# Allegro board controller_layout.brd
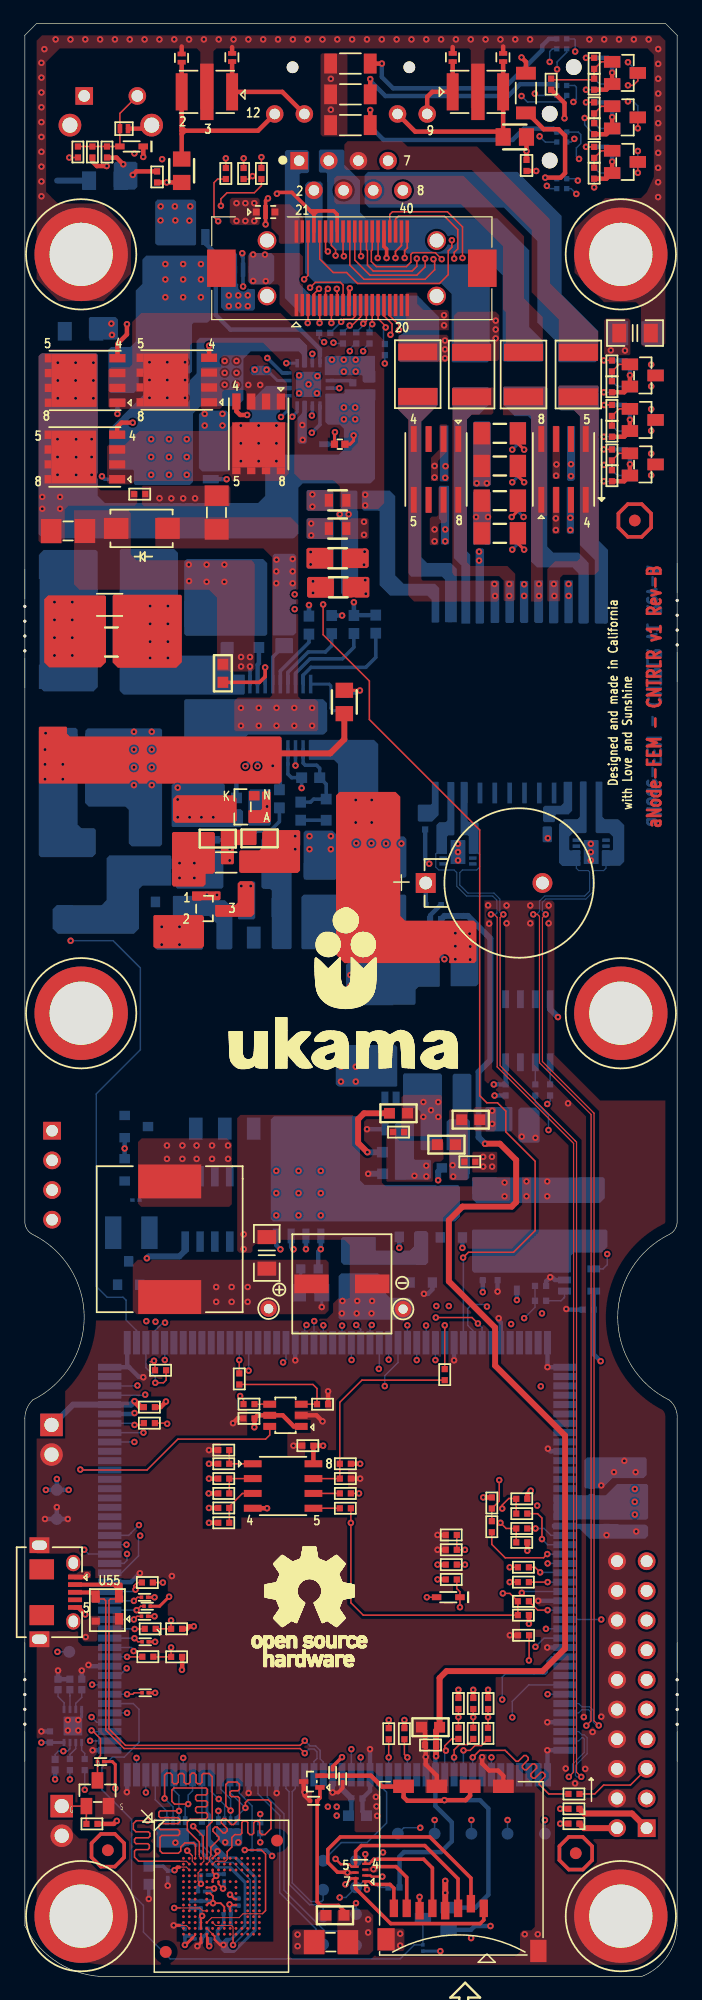
[diagram p0: board, top side]
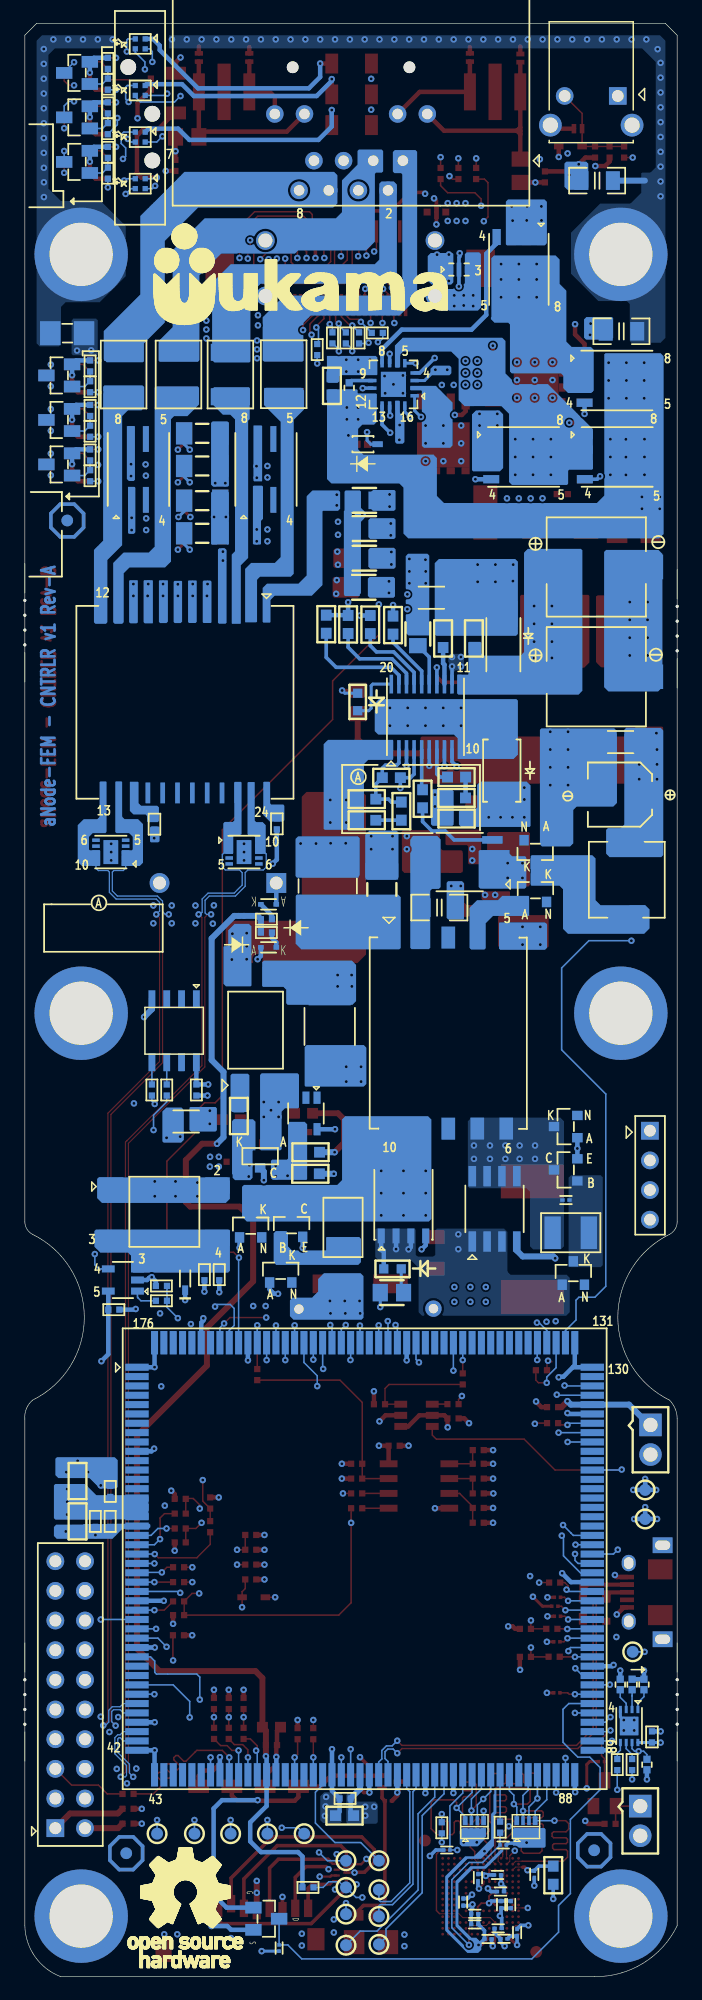
[diagram p1: board, bottom side, seen from below]

Outline 55.88 x 167.26 mm; copper layers: TOP, L2-GND, L3-SIG1, L4-SIG2, L5-PWR, BOTTOM. Coordinates in mm from the lower left corner of the outline.
Outline path: 0,166.24 0,64.62 arc(0.19,64) 0.67,63.56 arc(5.09,56.46) 0.66,49.37 arc(0.17,48.64) 0,47.77 0,4.36 arc(2.9,1.16) 7.06,0 52.81,0 arc(55.01,1.71) 55.88,4.36 55.88,47.75 arc(55.74,48.64) 55.21,49.37 arc(50.79,56.46) 55.21,63.56 arc(55.69,64) 55.88,64.63 55.88,166.24 54.86,167.26 1.02,167.26 0,166.24

## Design rules (mm)
net group DP7: nets SOM_USBA_DM SOM_USBA_DP
net group EMMC_CLK: nets EMMC_CLK N167577870
net group PA_DISABLE: nets N16782840 PA_DISABLE
net group SDHI_CLK: nets N16784147 SDHI_CLK
net group SOM_TCK: nets N16785016 SOM_TCK
net group SOM_TDI: nets N16785078 SOM_TDI
net group SOM_TDO: nets N16785081 SOM_TDO
net group SOM_TMS: nets N16785084 SOM_TMS
net group SOM_USBB: nets SOM_USBB_DM SOM_USBB_DP
net group 50 OHMS: nets BG12 BG36 BG45 BG78 DBGU_RXD DBGU_TXD DISABLE_BOOT EEPROM_WP ETH_LED0 N00298 N00544 N00600 N00977 N01029 N01180 N01231 N01732 N02001 N03119 N03568 N03818 N04656 N06278 N14160 N35231 N395210 N395506 N397188 N397192 N399906 N400318 N16782839 N16783926 N16783927 N16821996 N16821997 N16828605 N16828699 N16828700 N16835633 N16836459 N16836513 N16836517 N16838162 N16880995 N16881912 N16881928 N16881935 N16881937 N16881941 N16895022 N16900299 N16900301 N16900303 N16900344 N16900372 N16928136 N19998964 N20071633 N20071656 N20073323 N20073327 N20073333 N20073375 N20073427 N20073459 N20187115 N20187119 N42831088 N42831090 N43233287 PG_LDO_3P3 PG_LDO_5V PG_REG_5P7V PGA_PWR_DISABLE PPD RF_PWR_DETECT_F RF_PWR_DETECT_R RF_PWR_DISABLE RF_THERMTRIP RX_ATTN_1DB RX_ATTN_2DB RX_ATTN_4DB RX_ATTN_8DB RX_ATTN_ENB RX_ATTN_P5DB RX_ATTN_P16DB SHDN SOM_ETH_LED SOM_HSIC_DAT SOM_HSIC_STROBE SOM_NRST SOM_USB_OCR SOM_WDI_IN T2P TG12 TG36 TG45 TG78 THERM_ALERT TWI0_CLK TWI0_DATA TWI1_CLK TWI1_DATA TWI2_CLK TWI2_DATA TX_ATTN_8DB TX_ATTN_P16DB
net group EMMC  INTERFACE: nets EMMC_D1 EMMC_D2 EMMC_D3 EMMC_D4 EMMC_D5 EMMC_D6 EMMC_D7
net group POWER: nets B2B_3V3 B2B_12V N12332 VDD_BU
net group SDCARD INTERFACE: nets SDHI_CMD SDHI_DAT1 SDHI_DAT2 SDHI_DAT3
net group SDCARD_INTERFACE: nets SDHI_CD

## Placement (name value [footprint] x y rotation side)
BT1  CR1220  [BAT_CR-1220HFN]  34.34 93.65 180 top
C1  0.47UF  [EMIFIL_101X43W474MV4E]  15.6 161.39 180 top
C2  0.47UF  [EMIFIL_101X43W474MV4E]  38.81 161.39 0 top
C3  0.1uF  [C0402]  7.04 156.24 90 top
C4  0.1uF  [CC0402]  42.98 155.09 270 top
C5  0.1uF  [CC0402]  11.33 154.11 90 top
C6  NFM18PC225B1A3D  [EMIFIL_NFM18PC225B1A3B]  20.62 151.1 0 top
C7  1000PF  [C1206]  52.27 140.74 180 top
C8  1nF 100V  [C0402]  9.84 126.95 0 top
C9  0.1uF  [C0805]  7.27 117.47 180 top
C10  1uF  [CC1210]  7.42 114.28 180 top
C11  47pF  [CC0603]  20.11 97.47 0 top
C12  10pF  [C0402]  32.01 72.32 180 top
C13  22uF  [C1206]  20.73 61.98 90 top
C14  100uF  [CAP_2P_8_50X8_50_5_50MM]  27.16 59.32 0 top
C15  0.1uF  [C0402]  19.2 47.8 0 top
C16  0.1uF  [C0402]  24.25 45.47 180 top
C17  0.1uF  [C0402]  36.53 37.82 180 top
C18  2.2uF  [C0603]  34.75 21.36 180 top
C19  100nF  [C0402]  34.75 19.83 180 top
C20  0.1UFX  [C0201]  24.74 15.06 180 top
C21  1UFX_16V  [C0603]  26.57 5.25 180 top
C22  1000PF  [C1206]  6.85 153.79 0 bottom
C23  NFM18PC225B1A3D  [EMIFIL_NFM18PC225B1A3B]  18.69 146.17 180 bottom
C24  1000PF  [C1206]  4.77 140.89 180 bottom
C25  0.047uF  [CC0603]  29.58 136.22 90 bottom
C26  0.01uF  [CC0805]  26.79 126.41 0 bottom
C27  0.01uF  [CC0805]  26.79 124 0 bottom
C28  0.01uF  [CC0805]  26.79 121.46 0 bottom
C29  22uF  [CAP_2P_8_50X8_50_10_50MM]  6.93 120.71 180 bottom
C30  0.01uF  [CC0805]  26.84 118.97 0 bottom
C31  0.1uF 100V  [C0805]  21.05 118.07 0 bottom
C32  10nF  [C0603]  17.41 114.59 270 bottom
C33  22uF  [CAP_2P_8_50X8_50_10_50MM]  6.93 111.31 180 bottom
C34  1uF  [C0805]  4.85 105.72 0 bottom
C35  1uF  [C0603]  24.49 102.67 180 bottom
C36  22uF  [CAP_2P_5_30X5_30_6_10MM]  4.9 101.22 0 bottom
C37  1uF  [C0603]  18.91 100.93 180 bottom
C38  22nF  [CC0603]  26.59 99.03 0 bottom
C39  0.1uF  [CC0402]  34.29 98.71 90 bottom
C40  0.1uF  [CC0402]  44.77 98.68 90 bottom
C41  1uF  [CC1210]  25.3 93.1 90 bottom
C42  0.047uF 250V  [C1206]  20.37 91.54 0 bottom
C43  2200pF 2kV  [CAP_2P_4_90X3_60_1_50MM]  29.77 81.3 270 bottom
C44  100nF  [C0402]  41.19 75.92 270 bottom
C45  1uF  [C0805]  42.06 73.22 0 bottom
C46  15nF  [CC0603]  31.41 70.6 0 bottom
C47  100pF  [C0201]  9.53 66.5 180 bottom
C48  0.1uF  [C0402]  40.5 60.11 90 bottom
C49  0.1uF  [C0402]  48.26 57.11 0 bottom
C50  2.2uF  [C0603]  51.36 42.44 90 bottom
C51  100nF  [C0402]  48.56 41.55 90 bottom
C52  2.2uF  [C0603]  51.36 38.98 270 bottom
C53  100nF  [C0402]  49.84 38.98 270 bottom
C54  100nF  [C0402]  48.57 38.98 270 bottom
C55  0.1uF  [CC0402]  2.16 20.53 90 bottom
C56  100nF  [C0402]  28.45 15.26 0 bottom
C57  2.2uF  [C0603]  28.5 13.79 0 bottom
C58  0.1UFX  [C0201]  12.24 8.76 270 bottom
C59  0.1UFX  [C0201]  15.39 8.71 180 bottom
C60  1UFX_16V  [C0603]  10.62 8.69 270 bottom
C61  0.1UFX  [C0201]  17.07 8.48 270 bottom
C62  0.1UFX  [C0201]  15.14 7.29 180 bottom
C63  0.1UFX  [C0201]  18.34 6.38 90 bottom
C64  0.1UFX  [C0201]  15.08 6.17 90 bottom
C65  0.1UFX  [C0201]  14.22 6.17 90 bottom
C66  0.1UFX  [C0201]  17.34 5.38 180 bottom
C67  0.1UFX  [C0201]  17.34 4.47 180 bottom
C68  0.1UFX  [C0201]  15.34 4.14 0 bottom
C69  0.1UFX  [C0201]  13.71 3.78 90 bottom
C70  0.1UFX  [C0201]  14.84 3.24 0 bottom
C71  0.1UFX  [C0201]  16.2 3.22 0 bottom
CN1  112A-TAAR-R03_ATTEND  [MICROSD_ATTEND_NEW]  30.39 4.7 0 top
D1  PESD3V3X1BL,315  [DFN98X58X50-2N_NXP]  17.76 164.34 90 top
D2  PESD3V3X1BL,315  [DFN98X58X50-2N_NXP]  36.65 164.34 90 top
D3  PESD3V3X1BL,315  [DFN98X58X50-2N_NXP]  40.97 164.34 90 top
D4  PESD3V3X1BL,315  [DFN98X58X50-2N_NXP]  13.44 164.29 90 top
D5  PESD3V3X1BL,315  [SOD882_2P_0_62X1_02_0_50MM]  8.49 158.24 0 top
D6  RB751S40T5G  [SOD523F_2P_1_30X0_90_0_70MM]  9.14 156.72 180 top
D7  SMAJ58A  [DO214AC_2P_2_290MM]  10.02 124.01 180 top
D8  BAS16  [SOT23_3P_3_04X1_40_1_11MM_ANC]  18.65 100.17 180 top
D9  RB751S40T5G  [SOD523F_2P_1_30X0_90_0_70MM]  36.27 32.49 180 top
D10  D5V0L2B3T  [SOT50P160X90-3N]  24.58 16.71 90 top
D11  MMSZ5252BS-7-F  [SOD2513X120N_A]  26.91 131.22 180 bottom
D12  DIODE  [SMA_2P_4_57X2_92_2_62MM]  14.89 114.06 90 bottom
D13  SMAJ58A  [DO214AC_2P_2_290MM]  15.02 103.3 270 bottom
D14  BAS16  [SOT23_3P_3_04X1_40_1_11MM_ANC]  12.16 96.31 270 bottom
D15  BAS16  [SOT23_3P_3_04X1_40_1_11MM_ANC]  12.14 93.03 90 bottom
D17  TL431ACDBVR  [SOT23_5P_3_05X1_75_1_45MM]  31.8 73.91 270 bottom
D18  BAS16  [SOT23_3P_3_04X1_40_1_11MM_ANC]  9.55 72.79 0 bottom
D19  BAV99/SOT  [SOT23_3P_3_04X1_40_1_11MM_ACC]  35.72 70.26 0 bottom
D20  BAS16  [SOT23_3P_3_04X1_40_1_11MM_ANC]  36.53 64.3 90 bottom
D21  12V  [SOT23_3P_3_04X1_40_1_11MM_ANC]  33.96 60.44 90 bottom
D22  12V  [SOT23_3P_3_04X1_40_1_11MM_ANC]  8.9 60.25 90 bottom
D23  RB751S40T5G  [SOD523F_2P_1_30X0_90_0_70MM]  42.15 59.78 90 bottom
D10118  RB751S40  [SODFL1608X70N_B]  35 91.82 0 bottom
D10119  RB751S40  [SODFL1608X70N_B]  35 88.14 180 bottom
F1  1812L050/60MR  [FUSE_1812L05060]  33.66 137.21 270 top
F2  1812L050/60MR  [FUSE_1812L05060]  38.27 137.19 270 top
F3  1812L050/60MR  [FUSE_1812L05060]  42.72 137.19 90 top
F4  1812L050/60MR  [FUSE_1812L05060]  47.42 137.19 270 top
F5  1812L050/60MR  [FUSE_1812L05060]  33.71 137.21 90 bottom
F6  1812L050/60MR  [FUSE_1812L05060]  47.42 137.19 90 bottom
F7  1812L050/60MR  [FUSE_1812L05060]  42.72 137.19 90 bottom
F8  1812L050/60MR  [FUSE_1812L05060]  38.27 137.19 90 bottom
FB1  3A  [FB_1206]  16.43 125.37 90 top
FB2  3A  [FB_1206]  3.7 123.79 180 top
FB3  3A  [FB_1206]  26.23 2.95 0 top
FB4  3A  [FB_1206]  52.25 140.73 180 bottom
J1  FX23L-50-P-0.5SV10  [CON_40P_22_50X7_90_17_10MM_P]  28.01 146.29 90 top
J2  DX4R205JJAR1800  [USB_5P_7_70X5_20_2_65MM]  4.3 32.92 270 top
J3  RJ45_CONN  [AMPHENOL_MRJ-5384-M1]  23.5 155.5 0 bottom
J4  CONN HDR 4 PIN  [BERG-4]  2.33 72.44 270 bottom
J5  eJTAG Header  [BERG_10X2_2_54P]  53.27 12.71 90 bottom
JP1  826926-2  [TH_2_HDR2X1_100_ST_330H]  2.29 47.24 180 bottom
JP2  826926-2  [TH_2_HDR2X1_100_ST_330H]  3.16 14.61 180 bottom
L1  22uH  [IND_2P_12_50X12_50_8_00MM]  12.41 63.15 270 top
L2  1mH  [SM_2P_6_70X6_70_3_30MM]  4.41 93.83 270 bottom
L3  3.3uH  [IND_2P_5_00X5_00_3_00MM]  29.94 93.38 270 bottom
LED1  5977717507F  [LED_5977717507F]  45.99 159.52 90 bottom
LED2  LED  [LED_LTST-C190]  27.37 109.15 270 bottom
LED3  LED  [LED_LTST-C190]  24.38 60.6 0 bottom
M1  SI4848ADY-T1-GE3  [SOIC_8P_5_00X4_00_1_75MM_V1]  18.63 95.44 0 bottom
M2  Si7852DP  [SM_5P_6_25X5_26_1_12MM]  23.45 66.1 90 bottom
M3  Si4850EY  [SOIC_8P_5_00X4_00_1_75MM_V1]  15.65 65.75 90 bottom
MH1  Mounting_Hole  [MTG370X800]  4.83 147.48 0 top
MH2  Mounting_Hole  [MTG370X800]  51.05 147.48 0 top
MH3  Mounting_Hole  [MTG370X800]  4.83 82.5 0 top
MH4  Mounting_Hole  [MTG370X800]  51.05 82.5 0 top
MH5  Mounting_Hole  [MTG370X800]  4.83 5.18 0 top
MH6  Mounting_Hole  [MTG370X800]  51.05 5.18 0 top
NOREF  -  [unnamed]  47.19 10.57 0 top
NOREF#2  -  [unnamed]  7.11 10.82 0 top
NOREF#3  -  [unnamed#2]  0 115.43 270 top
NOREF#4  -  [#3]  0 166.24 0 top
NOREF#5  -  [#3]  52.81 0 90 top
NOREF#6  -  [unnamed#2]  55.88 115.94 90 top
NOREF#7  -  [unnamed]  52.25 124.69 0 top
NOREF#8  -  [unnamed#2]  0 23.52 270 top
NOREF#9  -  [unnamed#2]  55.88 23.52 90 top
NOREF#10  -  [unnamed]  7.11 10.82 180 bottom
NOREF#11  -  [unnamed#4]  44.96 155.52 90 bottom
NOREF#12  -  [unnamed]  52.25 124.69 180 bottom
NOREF#13  -  [unnamed]  47.19 10.57 180 bottom
NR1  100K  [SMR4X0402]  17.37 12.85 180 bottom
NR2  100K  [SMR4X0402]  12.95 12.85 180 bottom
Q1  BSS138  [SOT-23_3P_1_50X3_12_1_20MM_GSD]  51.41 163.02 270 top
Q2  BSS138  [SOT-23_3P_1_50X3_12_1_20MM_GSD]  51.41 159.21 270 top
Q3  BSS138  [SOT-23_3P_1_50X3_12_1_20MM_GSD]  51.41 155.4 270 top
Q4  BSS138  [SOT-23_3P_1_50X3_12_1_20MM_GSD]  52.93 137.11 270 top
Q5  CSD18540Q5BT  [SON127P600X500X105-8N_TI]  13.02 136.72 180 top
Q6  CSD18540Q5BT  [SON127P600X500X105-8N_TI]  5.16 136.68 180 top
Q7  BSS138  [SOT-23_3P_1_50X3_12_1_20MM_GSD]  52.93 133.3 270 top
Q8  CSD18540Q5BT  [SON127P600X500X105-8N_TI]  20.03 132.11 270 top
Q9  CSD18540Q5BT  [SON127P600X500X105-8N_TI]  5.14 130.13 180 top
Q10  BSS138  [SOT-23_3P_1_50X3_12_1_20MM_GSD]  52.93 129.49 270 top
Q11  Si2325DS  [SOT23_3P_3_04X1_40_1_12MM_GSD]  15.71 91.46 270 top
Q12  BSS138  [SOT-23_3P_1_50X3_12_1_20MM_GSD]  51.41 163.02 90 bottom
Q13  BSS138  [SOT-23_3P_1_50X3_12_1_20MM_GSD]  51.41 159.21 90 bottom
Q14  BSS138  [SOT-23_3P_1_50X3_12_1_20MM_GSD]  51.41 155.4 90 bottom
Q15  CSD18540Q5BT  [SON127P600X500X105-8N_TI]  13.56 146.19 270 bottom
Q16  BSS138  [SOT-23_3P_1_50X3_12_1_20MM_GSD]  52.93 137.11 90 bottom
Q17  CSD18540Q5BT  [SON127P600X500X105-8N_TI]  5.16 136.68 180 bottom
Q18  BSS138  [SOT-23_3P_1_50X3_12_1_20MM_GSD]  52.93 133.3 90 bottom
Q19  CSD18540Q5BT  [SON127P600X500X105-8N_TI]  13.16 130.13 180 bottom
Q20  CSD18540Q5BT  [SON127P600X500X105-8N_TI]  5.14 130.13 180 bottom
Q21  BSS138  [SOT-23_3P_1_50X3_12_1_20MM_GSD]  52.93 129.49 90 bottom
Q22  MMBTA06  [SOT23_3P_3_04X1_40_1_11MM_BEC]  9.55 69.08 0 bottom
Q23  MMBTA06  [SOT23_3P_3_04X1_40_1_11MM_BEC]  33.03 64.35 90 bottom
Q54  BSS138  [SOT-23_3P_1_50X3_12_1_20MM_GSD]  35.2 4.96 270 bottom
Q55  BSS138  [SOT-23_3P_1_50X3_12_1_20MM_GSD]  6.22 15.71 0 top
R1  0E  [R0402]  48.77 163.83 90 top
R2  487  [R1206]  27.89 163.82 180 top
R3  10K  [R0402]  48.77 162.05 270 top
R4  487  [R1206]  42.93 161.29 90 top
R5  487  [R1206]  27.89 161.18 180 top
R6  0E  [R0402]  48.77 160.02 270 top
R7  487  [R1206]  27.89 158.54 180 top
R8  10K  [R0402]  48.77 158.24 270 top
R9  120  [RC0805]  41.97 157.53 0 top
R10  0 OHM  [R0402]  4.55 156.24 270 top
R11  10K  [R0402]  5.79 156.24 90 top
R12  0E  [R0402]  48.77 156.21 270 top
R13  120  [RC0805]  13.44 154.64 270 top
R14  10K  [R0402]  48.77 154.43 270 top
R15  0E  [R0402]  17.22 154.4 90 top
R16  0E  [R0402]  18.74 154.4 90 top
R17  0E  [R0402]  20.27 154.4 90 top
R18  0E  [R0402]  50.29 137.92 90 top
R19  10K  [R0402]  50.29 136.14 270 top
R20  0E  [R0402]  50.29 134.11 270 top
R21  10K  [R0402]  50.29 132.33 270 top
R22  1M  [RC1206]  40.69 132.15 0 top
R23  NM  [RC0402]  26.97 131.22 180 top
R24  0E  [R0402]  50.29 130.3 270 top
R25  1M  [RC1206]  40.69 129.36 0 top
R26  10K  [R0402]  50.29 128.52 270 top
R27  75E  [RC0603]  26.79 126.41 180 top
R28  1M  [RC1206]  40.69 126.39 180 top
R29  75E  [RC0603]  26.79 124 180 top
R30  1M  [RC1206]  40.69 123.59 180 top
R31  75E  [RC0603]  26.79 121.46 180 top
R32  75E  [RC0603]  26.84 118.97 180 top
R33  0  [R0603]  16.97 111.61 90 top
R34  6.49k  [R0805]  27.37 109.15 270 top
R35  1k  [R0603]  16.53 97.45 180 top
R36  0.12  [R1206]  17.25 95.41 180 top
R37  10k  [R0603]  32.01 73.93 180 top
R38  10k  [R0603]  38.2 73.38 180 top
R39  41.2k  [R0603]  36.12 71.24 0 top
R40  49.9  [R0402]  38.12 69.78 180 top
R41  0E  [R0402]  35.97 51.55 90 top
R42  0E  [R0402]  11.63 51.93 0 top
R43  0E  [R0402]  18.37 51.18 90 top
R44  0E  [R0402]  19.2 49.02 180 top
R45  10K  [R0402]  25.5 49.02 0 top
R46  10K  [R0402]  10.67 48.77 180 top
R47  0E  [R0402]  10.67 47.4 180 top
R48  10K  [R0402]  17.04 45.09 180 top
R49  100K  [R0402]  17.04 43.92 0 top
R50  10K  [R0402]  27.45 43.92 180 top
R51  100K  [R0402]  17.04 42.65 0 top
R52  100K  [R0402]  27.45 42.65 0 top
R53  10K  [R0402]  17.04 41.38 180 top
R54  0E  [R0402]  27.45 41.38 0 top
R55  10K  [R0402]  42.57 40.92 180 top
R56  10K  [R0402]  40 40.56 270 top
R57  10K  [R0402]  17.04 40.13 180 top
R58  0E  [R0402]  27.45 40.11 0 top
R59  0E  [R0402]  42.57 39.65 0 top
R60  100K  [R0402]  17.04 38.86 0 top
R61  0E  [R0402]  40 38.53 270 top
R62  0E  [R0402]  42.57 38.38 0 top
R63  10K  [R0402]  42.57 37.19 180 top
R64  10K  [R0402]  36.53 36.55 180 top
R65  10K  [R0402]  36.53 35.28 0 top
R66  0E  [R0402]  42.71 35.05 0 top
R67  10K  [R0402]  36.53 34.01 0 top
R68  0E  [R0402]  42.71 33.78 0 top
R69  22E  [R0402]  10.49 33.75 0 top
R70  10K  [R0201]  10.26 32.48 0 top
R71  0E  [R0402]  42.71 32.14 0 top
R72  10K  [R0201]  10.48 31.72 0 top
R73  10K  [R0402]  42.71 30.95 180 top
R74  10K  [R0201]  10.26 30.86 0 top
R75  0E  [R0402]  10.74 29.78 180 top
R76  10K  [R0402]  13 29.78 180 top
R77  10K  [R0402]  42.72 29.23 180 top
R78  10K  [R0201]  10.31 28.67 0 top
R79  0E  [R0402]  10.54 27.4 180 top
R80  10K  [R0402]  13 27.38 180 top
R81  10K  [R0201]  10.31 24.3 0 top
R82  10K  [R0402]  37.14 23.39 270 top
R83  10K  [R0402]  38.41 23.39 90 top
R84  10K  [R0402]  39.68 23.39 270 top
R85  0E  [R0402]  37.14 20.83 270 top
R86  0E  [R0402]  38.41 20.83 270 top
R87  0E  [R0402]  39.67 20.83 270 top
R88  0E  [R0402]  31.17 20.8 90 top
R89  10K  [R0402]  32.52 20.8 270 top
R90  10K  [R0201]  26.36 17.47 90 top
R91  10K  [R0201]  27.23 16.94 90 top
R92  0E  [R0402]  47.04 15.64 180 top
R93  0E  [R0402]  47.04 14.37 180 top
R94  0E  [R0402]  47.04 13.1 180 top
R95  10K  [R0402]  48.77 163.83 90 bottom
R96  0E  [R0402]  48.77 162.05 90 bottom
R97  10K  [R0402]  48.77 160.02 90 bottom
R98  0E  [R0402]  48.77 158.24 270 bottom
R99  10K  [R0402]  48.77 156.21 90 bottom
R100  0E  [R0402]  48.77 154.43 90 bottom
R101  10K  [R0402]  50.29 137.92 90 bottom
R102  0E  [R0402]  50.29 136.14 90 bottom
R103  0  [RC0402]  28.09 136.03 270 bottom
R104  10K  [R0402]  50.29 134.11 90 bottom
R105  0E  [R0402]  50.29 132.33 270 bottom
R106  1M  [RC1206]  40.69 132.15 0 bottom
R107  10K  [R0402]  50.29 130.3 90 bottom
R108  1M  [RC1206]  40.69 129.36 0 bottom
R109  0E  [R0402]  50.29 128.52 90 bottom
R110  1M  [RC1206]  40.69 126.39 180 bottom
R111  1M  [RC1206]  40.69 123.59 180 bottom
R112  69.8k  [R0603]  30.06 115.81 270 bottom
R113  80.6k  [R0603]  28.19 115.79 270 bottom
R114  0  [R0603]  26.29 115.78 270 bottom
R115  63.4k  [R0603]  24.34 115.73 270 bottom
R116  63.4  [R0805]  22.21 114.97 270 bottom
R117  24.9k  [R0603]  20.05 114.59 90 bottom
R118  0  [R0603]  18.9 102.72 180 bottom
R119  10  [R0603]  21.81 100.86 270 bottom
R120  1.5k  [R0603]  26.59 100.83 180 bottom
R121  348  [R0603]  23.63 99.8 90 bottom
R122  10k  [R0603]  18.9 99.16 0 bottom
R124  0E  [R0402]  45 75.92 270 bottom
R125  0E  [R0402]  43.73 75.92 270 bottom
R126  2.49k  [R0603]  37.55 73.7 270 bottom
R127  11.0k  [R0603]  31.42 68.75 0 bottom
R128  2k  [R1210]  28.63 64.15 270 bottom
R129  2k  [R1210]  9.12 63.7 0 bottom
R130  10K  [R0402]  39.23 60.11 90 bottom
R131  10K  [R0402]  44.18 59.15 0 bottom
R132  2.87k  [R0805]  24.43 58.57 0 bottom
R133  0E  [R0402]  44.18 57.88 0 bottom
R134  10K  [RC0402]  4.88 25.02 90 bottom
R135  10K  [RC0402]  3.86 25.02 90 bottom
R136  10K  [RC0402]  2.84 25.02 90 bottom
R137  10K  [RC0402]  2.59 18.16 90 bottom
R138  0E  [R0402]  5.13 18.16 90 bottom
R139  0E  [R0402]  3.86 18.16 90 bottom
R140  22E  [R0402]  15.17 12.8 270 bottom
R141  0E  [R0402]  20.16 12.75 90 bottom
R142  4.7K  [R0201]  14.9 11.27 0 bottom
R143  4.7K  [R0201]  19.73 10.84 180 bottom
R144  10K  [R0402]  45.09 162.05 90 top
R145  10K  [R0402]  31.62 7.64 180 bottom
R155  0E  [R0402]  30.83 139.33 270 bottom
R156  0E  [R0402]  29.53 140.32 270 bottom
R157  0E  [R0402]  25.69 140.75 180 bottom
R158  0E  [R0402]  27.25 140.32 270 bottom
R10791  10K  [R0402]  35.19 90.55 180 bottom
R10792  10K  [R0402]  35.19 89.41 180 bottom
R10793  10K  [R0201]  34.1 2.45 270 bottom
R10794  10K  [R0201]  6.49 18.42 0 top
R10795  10K  [R0402]  5.75 13.08 180 top
R10800  0E  [R0402]  28.39 140.32 270 bottom
S1  TL1105JAF160Q  [SW_TL1105JAF160Q]  7.36 161.04 0 bottom
S2  FSM4JSMATR  [SW_4P_6_00X6_00_5_23MM]  43.93 65.5 90 bottom
T1  ETH1-460LD  [XFMR_ETH1-460LD]  42.16 109.12 270 bottom
T2  TRAN_ISDN_09  [TRANS_10P_13_46X16_36_12_70MM]  19.61 80.79 270 bottom
TP1  -  [TH_1P_0_80X1_40MM]  20.88 57.2 0 top
TP2  -  [TH_1P_0_80X1_40MM]  32.4 57.16 0 top
TP3  T POINT R  [TP_40C]  2.74 41.68 180 bottom
TP4  T POINT R  [TP_40C]  2.74 39.19 180 bottom
TP5  T POINT R  [TP_40C]  3.81 27.81 180 bottom
TP6  T POINT R  [TP_40C]  44.55 12.24 180 bottom
TP7  T POINT R  [TP_40C]  41.35 12.24 180 bottom
TP8  T POINT R  [TP_40C]  38.25 12.24 180 bottom
TP9  T POINT R  [TP_40C]  35.1 12.24 180 bottom
TP10  T POINT R  [TP_40C]  31.95 12.24 180 bottom
TP11  T POINT R  [TP_40C]  28.37 9.93 270 bottom
TP12  T POINT R  [TP_40C]  25.55 9.93 90 bottom
TP13  T POINT R  [TP_40C]  28.37 7.64 270 bottom
TP14  T POINT R  [TP_40C]  25.55 7.44 270 bottom
TP15  T POINT R  [TP_40C]  28.37 5.36 270 bottom
TP16  T POINT R  [TP_40C]  25.55 5.15 90 bottom
TP17  T POINT R  [TP_40C]  25.55 2.76 270 bottom
TP18  T POINT R  [TP_40C]  28.37 2.69 270 bottom
U1  SEP0640Q38CB  [SON127P600X500X163-8N]  35.22 129.06 270 top
U2  SEP0640Q38CB  [SON127P600X500X163-8N]  46.15 129.06 90 top
U3  SN74LVC1G97DBVR  [SOT23_6P_1_75X3_05_1_45MM]  22.33 48.07 180 top
U4  CAT24C256WI-GT3  [SOIC127P600X175-8N_ON-SEMI]  22.12 42.01 0 top
U5  PRTR5V0U2X  [SM_4_SOT143_120X55_50H]  7.07 31.39 90 top
U6  PUSB3FR6  [XSON50P110X212X50-7N]  28.75 8.91 180 top
U7  EMMC08G-M325B53  [WFBGA_EMMC153]  16.84 6.89 0 top
U8  LT4321IUF#PBF  [QFN65P400X400X80-17N]  24.3 136.35 0 bottom
U9  SEP0640Q38CB  [SON127P600X500X163-8N]  46.15 129.06 90 bottom
U10  SEP0640Q38CB  [SON127P600X500X163-8N]  35.22 129.06 90 bottom
U11  TPS23754PWP  [HTSSOP_20P_4_50X6_60_1_20MM]  21.56 107.88 90 bottom
U12  TCLAMP2502NTCT  [SON50P260X260X65-11N]  48.51 96.3 0 bottom
U13  TCLAMP2502NTCT  [SON50P260X260X65-11N]  37.1 96.3 180 bottom
U14  FOD817AS  [SOP259P1005X368-4N]  36.12 81.05 90 bottom
U15  ATECC608A  [SO8]  43.09 81 0 bottom
U16  ADM6316DZ26ARJZ-R7  [SOT95P280X145-5N_B]  47.48 59.65 90 bottom
U17  ATSAMA5D27-SOM1  [MOD_176P_40_00X38_00_2_80MM]  26.77 35.78 180 bottom
U18  SE98ATP,547  [SON50P300X200X80-9N_NXP]  4.11 21.46 0 bottom
